# Altium PCB 400484.PcbDoc (part 3 of 5) (continued)
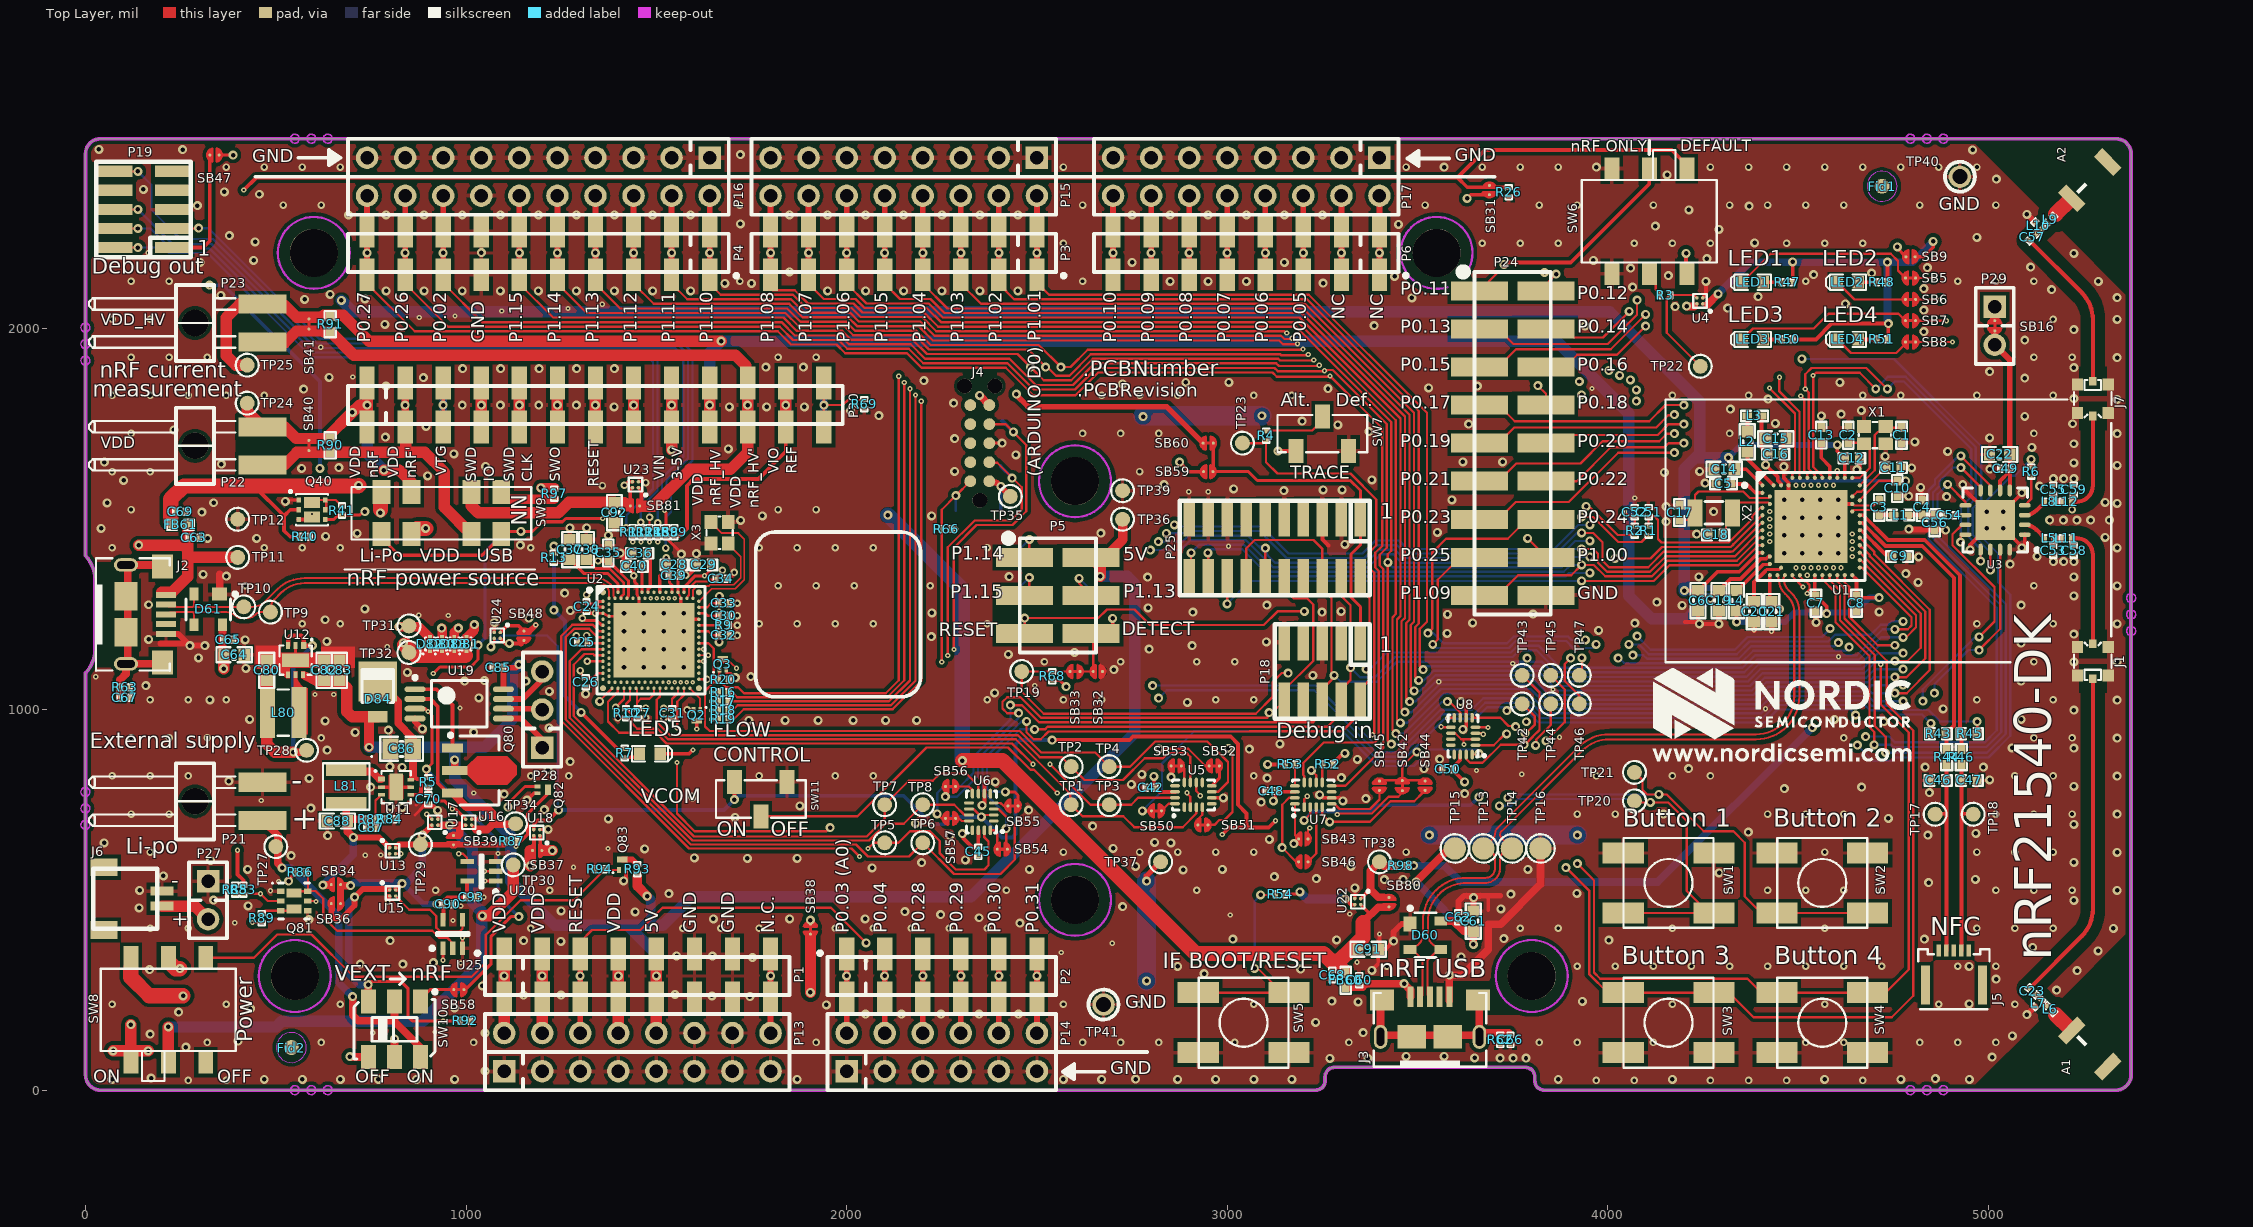
[diagram p0: Top Layer view]
## Nets (pads, with @x,y where several pads share a name; then routed paths per layer and width w, separated by ;. In a path a pad name is that pad's centre, name@x,y a point inside that pad or via, vN(x,y) a via of type N, cw(c..) or ccw(c..) an arc to the next point about the centre after c; other vN are vias at no path point) (continued)
  Mid-Layer 1 w10: v3(2929.04,773.71) 2929.77,772.98 2950.02,772.98 2987,736 v3(2987,672) ; v3(3127,708) 3201,708 v1(3202,709)
  Mid-Layer 2 w10: v1(3661,770) 3661,817 3594,884 3594,959 3693,1058 3693,2136 v1(3727,2170)
  Bottom Layer w6: v1(1065,1165) 1094.7,1194.7 1212.78,1194.7 1241.14,1166.34 1241.14,737.86 v1(1243,736)
  Bottom Layer w10: v1(1243,736) 1677.93,736 v1(1705.22,763.29) 1715.55,773.62 2149.61,773.62 2224.41,698.82 2256.89,698.82 2276.07,718 v1(2354,718) 2408,664 2435,664 2444,673 2444,909 2455,920 v1(2540,920) ; v1(3202,709) 3225,732 3379,732 3395.47,748.47 3639.47,748.47 v1(3661,770)
IMCU_BOOT: SB46.2 U2.AL27 U7.15 | length 2527.7
  Top Layer w6: v3(1554.05,860.66) 1554.05,726.59 1600.17,680.46 1947.2,680.46 v1(1956.69,689.96) ; v3(1555.12,951.77) 1555.12,1020.67 1572.39,1037.94 U2.AL27@1572.39,1055.11 ; v1(3144,637) v1@3144.3,636.7 ; v1@3146.3,636.7 v1@3151,636.7 ; U7.15@3177.77,768.13 3162.43,768.13 3144.3,750 v1@3144.3,636.7 ; SB46.2@3187.7,600 3181,600 3180.83,600.17 v1@3144.3,636.7
  Mid-Layer 1 w6: v3(1554.05,860.66) 1554.58,861.2 1554.58,951.24 v3(1555.12,951.77)
  Mid-Layer 2 w6: v1(1956.69,689.96) 1956.69,584.31 2148,393 2538.52,393 2550.93,380.59 2703.11,380.59 2825.52,503 2988.3,503 3019.3,534 3138.03,534 3153,548.97 3153,628 v1(3144,637)
IMCU_LED: Q2.1 U2.AL29 | length 67.5
  Top Layer w4.92: U2.AL29@1588.34,1055.42 1615.16,1028.61 Q2.1@1615.16,999.02
IMCU_N: D61.2 J2.2 TP10.1 U2.B4 | length 1277.7
  Top Layer w5.35: J2.2@211.84,1275.59 ccw(c224.39,1288.14) 224.39,1270.39 237.2,1270.39 cw(c237.2,1268.71) 238.38,1269.9 ccw(c239.57,1271.09) 239.57,1269.41 250.86,1269.41 251.06,1269.61 279.85,1269.61 ccw(c279.85,1274.97) 281.54,1269.89 ccw(c279.85,1274.97) 283.64,1271.18 ccw(c279.85,1274.97) 284.93,1273.27 ccw(c279.85,1274.97) 285.2,1274.97 ; D61.2@285.2,1303.35 285.2,1274.97 ; U2.B4@1388.77,1295.86 1391.29,1293.34 U2.B4@1391.29,1292.39 cw(c1401.32,1302.42) 1387.14,1302.42 1387.14,1312.27 ccw(c1365.13,1312.27) 1380.69,1327.83 1379.02,1329.51 ccw(c1340.61,1291.07) 1340.61,1345.41 575.53,1345.41 ccw(c575.53,1244.36) 504.08,1315.81 472.76,1284.5 cw(c437.85,1319.41) 437.85,1270.04 TP10.1@416,1270.04 415.57,1269.61 290.56,1269.61 cw(c290.56,1274.97) 286.77,1271.18 cw(c290.56,1274.97) 285.2,1274.97
IMCU_P: D61.3 J2.3 TP9.1 U2.B2 | length 1277
  Top Layer w5.35: J2.3@211.84,1250 cw(c224.39,1237.45) 224.39,1255.2 237.2,1255.2 ccw(c237.2,1256.88) 238.38,1255.69 cw(c239.57,1254.5) 239.57,1256.18 256.33,1256.18 256.54,1256.39 279.85,1256.39 cw(c279.85,1251.03) 281.54,1256.11 cw(c279.85,1251.03) 283.64,1254.82 cw(c279.85,1251.03) 284.93,1252.72 cw(c279.85,1251.03) 285.2,1251.03 ; D61.3@285.2,1222.65 285.2,1251.03 ; 575.68,1332.18 ccw(c575.68,1244) 575.55,1332.18 ; U2.B2@1375.54,1292.39 1375.27,1292.67 1375.27,1306.06 ccw(c1355.67,1308.57) 1369.66,1322.52 ccw(c1350.5,1308.35) 1350.5,1332.18 575.55,1332.18 ; 285.2,1251.03 cw(c290.56,1251.03) 286.77,1254.82 cw(c290.56,1251.03) 290.56,1256.39 363.79,1256.39 cw(c363.79,1202.36) 395.75,1245.92 ccw(c409.65,1259.82) 409.65,1240.16 423.09,1240.16 ccw(c423.09,1273.76) 446.85,1250 cw(c461.2,1235.65) 461.2,1255.94 TP9.1@486,1255.94 ccw(c482.38,1259.56) 487.5,1259.56 487.5,1268.98 cw(c515.36,1268.98) 495.66,1288.69 513.33,1306.35 cw(c575.68,1244) 575.55,1332.18
IMCU_RESET: J4.10 R66.1 TP50.1 U2.AC31 | length 1192.4
  Top Layer w6: U2.AC31@1611.76,1127.04 1611.84,1126.97 1624.48,1126.97 v4(1624.56,1126.9) ; v4(2250,1125) R66.1@2250,1474.41 2250,1525.32 v1(2286.89,1562.2) ; v1@2287.2,1562.2 J4.10@2325,1600 ; J4.10@2312.52,1595 J4.10@2317.52,1600
  Mid-Layer 1 w6: v4(1624.56,1126.9) 1625.9,1125.55 1631.51,1125.55 1632.07,1125 v4(2250,1125)
  Bottom Layer w6: TP50.1@2286.89,1521.89 v1(2286.89,1562.2)
IMCU_SWDCLK: J4.4 TP51.1 U2.W31 | length 1511.3
  Top Layer w4.92: U2.W31@1611.76,1158.54 1611.84,1158.61 1624.48,1158.61 v4(1624.56,1158.68)
  Top Layer w6: v4(2281.75,1158.03) 2281.75,1425.45 2341.3,1485 2435.84,1485 2471.91,1521.07 2471.91,1695.42 v1(2437.99,1729.33) 2417.32,1750 J4.4@2375,1750
  Mid-Layer 1 w5.51: v4(1624.56,1158.68) 1624.7,1158.54 1643.03,1158.54 1653,1148.57 2232.41,1148.57 2241.88,1158.03 v4(2281.75,1158.03)
  Bottom Layer w6: TP51.1@2405,1758.11 TP51.1@2409.21,1758.11
  Bottom Layer w9.84: TP51.1@2409.21,1758.11 v1@2436.02,1731.3
IMCU_SWDIO: J4.2 TP49.1 U2.AA31 | length 1393.3
  Top Layer w4.92: U2.AA31@1611.76,1142.79 v4(1636.17,1142.79)
  Top Layer w6: v4(2265.86,1142.13) 2265.86,1426.39 2336.37,1496.91 2347.91,1496.91 2348,1497 2431,1497 2460,1526 2460,1584.29 2395.97,1648.32 2376.68,1648.32 J4.2@2375,1650
  Mid-Layer 1 w6: v4(1636.17,1142.79) 1638.28,1142.79 1644.16,1136.91 2237.24,1136.91 2242.47,1142.13 v4(2265.86,1142.13)
  Bottom Layer w9.84: TP49.1@2405,1640 2405,1638.98 2434.97,1609 v1(2434.97,1607.98)
N\R\F\_\O\N\L\Y\: R3.1 TP22.1 U4.B2 | length 298.6
  Top Layer w6: R3.1@4162.22,2088.57 4155,2081.35 4155,2008.39 4155,1990 TP22.1@4242.99,1902.01 ; R3.1@4164.41,2089.09 4226.65,2089.09 U4.B2@4234,2081.75
NetC3_2: C3.2 L1.1 U1.H23 | length 113.7
  Top Layer w5.71: U1.H23@4642.27,1520.37 4646.4,1524.5 4700.15,1524.5 4713.31,1511.34 C3.2@4713.51,1511.14
  Top Layer w10.98: C3.2@4713.31,1511.34 L1.1@4748.51,1511.34
NetC9_1: C9.1 U1.N24 | length 113.2
  Top Layer w9.84: U1.N24@4661.95,1471.16 4662.14,1470.97 4665.97,1470.97 4729.76,1407.18 4741.68,1407.18 C9.1@4746.6,1402.26
NetC13_1: C13.1 U1.A18 | length 101.9
  Top Layer w9.84: C13.1@4560.57,1701.47 4560.57,1661.43 4583.21,1638.79 U1.A18@4583.21,1608.95
NetC20_1: C20.1 U1.AC5 | length 140.4
  Top Layer w7.24: C20.1@4384,1284 C20.1@4384,1284.15 ; 4411.9,1362.5 4417.4,1368 4419.45,1368 4419.62,1367.83 4438.94,1367.83 4439.19,1368.08 4450.61,1368.08 U1.AC5@4455.26,1372.73
  Top Layer w10: C20.1@4384.39,1284.15 4384.39,1334.98 4413.87,1364.46
NetC22_2: C22.2 C49.2 P29.2 SB16.2 U3.5 U3.6 | length 543
  Top Layer w10: U3.6@5030.51,1575.79 5030.51,1600.71 5054.85,1625.05 ; C49.2@5056.1,1629.11 U3.5@5056.1,1575.79 5056.45,1576.13 C22.2@5056.45,1665.07
  Top Layer w15: SB16.2@5016.73,1995.05 P29.2@5016.73,1958.35 5055.83,1919.25 C22.2@5055.83,1670.36
NetC29_2: C29.2 C30.1 U2.A27 U2.G31 | length 295.2
  Top Layer w6: U2.G31@1611.76,1253.02 1628.95,1253.02 1635.82,1246.16 C30.1@1665.5,1246.16 v4(1665.5,1258.84)
  Top Layer w7.87: U2.A27@1572.39,1308.14 1572.39,1321.67 1602.13,1351.4 v4(1626.53,1351.4) 1628.45,1351.4 1642.28,1365.23 C29.2@1642.28,1380.98
  Mid-Layer 1 w6: v4(1626.53,1351.4) 1626.53,1297.82 v4(1665.5,1258.84)
NetC36_2: C36.2 U2.A15 | length 108.3
  Top Layer w8.86: C36.2@1475.94,1410.7 1483.81,1402.83 1483.81,1321.92 1477.91,1316.02 U2.A15@1477.91,1308.14
NetC37_1: C37.1 R13.2 U2.A5 | length 222.6
  Top Layer w6: R13.2@1230.82,1387.44 1265.67,1387.44 C37.1@1272.2,1393.97
  Top Layer w7.87: C37.1@1278.1,1388.06 1284.01,1393.97 1284.01,1382.94 1308.99,1357.96 1371.63,1357.96 1399.1,1330.5 U2.A5@1399.1,1308.21
NetC38_1: C38.1 U2.B6 | length 167
  Top Layer w7.36: C38.1@1316.49,1393.77 1339.75,1370.5 1376.83,1370.5 1414.58,1332.75 1414.58,1303.68 1407.33,1296.43 1407.33,1292.68 U2.B6@1407.04,1292.39 ; C38.1@1328.3,1393.77 C38.1@1328.3,1393.97
NetC39_1: C39.1 U2.A23 | length 46
  Top Layer w7.87: C39.1@1534.36,1351.45 1534.36,1333.38 1540.9,1326.84 U2.A23@1540.9,1308.14
NetC40_2: C40.2 U2.A13 | length 75
  Top Layer w8.86: U2.A13@1462.16,1308.14 C40.2@1462.16,1383.14
NetC53_2: C53.2 L5.2 L11.1 | length 45
  Top Layer w10.98: C53.2@5170.28,1429.13 L5.2@5170.28,1449.81 ; L5.2@5170.71,1450.24 L11.1@5195.08,1450.24
NetC55_2: C55.2 L8.2 L12.1 | length 45
  Top Layer w10.98: L8.2@5170.28,1546.26 C55.2@5170.28,1566.67 C55.2@5170.28,1566.94 ; L8.2@5170.71,1545.83 L12.1@5195.08,1545.83
NetC60_2: C60.2 C61.2 C62.2 D60.4 FB60.1 J3.1 TP15.1 | length 956.3
  Top Layer w20: FB60.1@3311.27,270.33 3355.28,270.33 3365,280.05 v1(3464.55,280.05) 3481.47,263.14 J3.1@3481.47,245.35 ; v1(3496,547) TP15.1@3584,635 ; D60.4@3561.12,444.48 3594.52,444.48 3621.54,417.46 C61.2@3646.57,417.46 v1(3646.57,383)
  Mid-Layer 2 w20: v1(3464.55,280.05) 3474.51,270.09 3606.09,270.09 3646.57,310.57 v1(3646.57,383)
  Bottom Layer w20: v1(3496,547) 3646.57,396.43 v1(3646.57,383)
NetC63_1: C63.1 C64.2 C65.2 D61.4 FB61.1 J2.1 TP11.1 | length 1027.2
  Top Layer w20: C64.2@360.01,1150.36 360.01,1184 D61.4@360.01,1222.65
  Top Layer w30: v1(140,1432) 257.6,1432 268.6,1421 ; J2.1@200,1308.4 227.69,1308.4 268.6,1349.31 268.6,1400 ; FB61.1@268.6,1485.6 268.6,1421 ; v1(363.19,1107.28) C64.2@363.19,1147.18 ; TP11.1@400,1400 268.6,1400 ; 268.6,1400 268.6,1421
  Mid-Layer 2 w30: v1(140,1432) 313.81,1258.19 333.3,1258.19 363.19,1228.3 v1(363.19,1107.28)
NetC66_2: C66.2 J3.6 R62.2 | length 533.2
  Top Layer w20: J3.6@3402.65,236.35 3402.65,143.83 J3.6@3662.49,143.83 ; J3.6@3662.49,133.83 cw(c3674.47,133.83) J3.6@3662.57,135.2 ; J3.6@3662.57,130.04 J3.6@3662.57,135.2 ; J3.6@3662.57,145.2 J3.6@3662.57,236.35 ; J3.6@3674.47,145.81 ccw(c3674.47,133.83) J3.6@3662.57,135.2 ; J3.6@3674.47,150.81 3740.16,150.81
NetC67_2: C67.2 J2.6 R63.2 | length 548
  Top Layer w20: C67.2@90.87,1035.43 90.87,1077.87 106.53,1093.53 J2.6@106.53,1120.08 ; J2.6@112.16,1119.45 J2.6@111.53,1120.08 ; J2.6@207.98,1124.02 204.05,1120.08 J2.6@111.53,1120.08 ; J2.6@207.98,1375.98 204.05,1379.92 111.53,1379.92 J2.6@111.53,1120.08
NetC70_1: C70.1 Q82.1 R5.2 U16.B2 | length 405.1
  Top Layer w8: R5.2@901.18,797.83 C70.1@901.18,775.39 902.5,774.08 909.19,774.08 924.04,759.23 944.38,759.23 v3(964,739.61) 971.39,739.61 U16.B2@999.13,711.87 ; v1(1110,744) 1110,753 1154.86,797.86 Q82.1@1187.22,797.86
  Mid-Layer 1 w8: v3(964,739.61) 975.39,751 1103,751 v1(1110,744)
NetC86_2: C86.2 D84.3 U11.4 U11.6 | length 373.2
  Top Layer w10: U11.4@854.39,776.32 875.84,776.32 881.7,782.17 881.7,812.08 875.84,817.94 870.75,817.94 865.62,823.06 860.53,823.06
  Top Layer w20: D84.3@768,1073.56 821.34,1020.22 821.34,963.66 860.53,924.47 C86.2@860.53,897 ; 860.53,823.06 860.53,840 C86.2@860.53,896.05
NetC87_1: C87.1 R82.1 R84.2 U11.3 | length 121.6
  Top Layer w6: R82.1@761.22,712 R82.1@762.22,712 ; C87.1@762.22,690 R82.1@762.22,712 ; U11.3@777.61,776.32 773.68,776.32 771.76,774.39 771.76,770.46 762.22,760.92 R82.1@762.22,712 ; R84.2@787.78,712 R82.1@762.22,712
NetC92_2: C92.2 SB81.2 SW9.7 U23.A2 | length 519.9
  Top Layer w9.84: 1431.53,1577.45 U23.A2@1437.2,1583.12
  Top Layer w10: SB81.2@1431.53,1535.16 1431.53,1577.45
  Top Layer w30: SW9.7@1013.74,1571.12 1013.74,1535.26 1032,1517 1242.58,1517 1269.87,1544.29 C92.2@1389.76,1544.29 1390,1544.06 1415.49,1544.06 1424.66,1534.89
NetL2_1: L2.1 L3.2 | length 41.3
  Top Layer w9.84: L2.1@4366.68,1730.02 L3.2@4366.68,1771.35
NetL2_2: L2.2 U1.B3 | length 116.1
  Top Layer w9.84: L2.2@4366.68,1676.87 4366.68,1658.16 U1.B3@4435.57,1589.27
NetL4_2: L4.2 U1.AB2 | length 120.2
  Top Layer w8: 4407.75,1380.45 4408.67,1381.37 4424.53,1381.37 U1.AB2@4425.73,1382.57
  Top Layer w9.84: L4.2@4338.13,1312.69 L4.2@4340,1312.69 ; L4.2@4343.69,1312.69 L4.2@4340,1312.69 ; 4407.75,1380.45 L4.2@4340,1312.69
NetL80_2: L80.2 U12.5
NetL81_1: L81.1 U11.1 | length 102.4
  Top Layer w20: L81.1@685,841.31 688.91,837.4 752.41,837.4 772.16,817.65 U11.1@777.61,817.65
NetLED1_1: LED1.1 SB5.2 | length 501.1
  Top Layer w6: LED1.1@4353.33,2122.73 4428.33,2197.73 4743.27,2197.73 4762.38,2178.62 4762.38,2153.38 SB5.2@4782.03,2133.73
NetLED1_2: LED1.2 R47.1 | length 51.3
  Top Layer w10: LED1.2@4408.33,2122.73 R47.1@4459.62,2122.73
NetLED2_1: LED2.1 SB6.2 | length 197.4
  Top Layer w6: LED2.1@4603.33,2122.73 4648.32,2077.73 4762.5,2077.73 SB6.2@4782.03,2077.73
NetLED2_2: LED2.2 R48.1 | length 50.3
  Top Layer w10: LED2.2@4658.33,2122.73 R48.1@4708.62,2122.73
NetLED3_1: LED3.1 SB7.2 | length 464.4
  Top Layer w6: LED3.1@4353.33,1972.73 4381.58,2000.98 4541.34,2000.98 4580.72,2040.37 4763.4,2040.37 SB7.2@4782.03,2021.73
NetLED3_2: LED3.2 R50.1 | length 51.3
  Top Layer w10: LED3.2@4408.33,1972.73 R50.1@4459.62,1972.73
NetLED4_1: LED4.1 SB8.2 | length 208.1
  Top Layer w6: LED4.1@4603.33,1972.73 4639,1937.06 4758.06,1937.06 4782.03,1961.03 SB8.2@4782.03,1965.73
NetLED4_2: LED4.2 R51.1 | length 50.3
  Top Layer w10: LED4.2@4658.33,1972.73 R51.1@4708.62,1972.73
NetLED5_1: LED5.1 Q2.3 | length 171.6
  Top Layer w10: LED5.1@1510.77,883.86 1585.59,883.86 1595.43,893.7 v3(1596.46,893.7) ; v3(1606.24,948.97) Q2.3@1606.3,971.46
  Mid-Layer 1 w10: v3(1596.46,893.7) 1596.46,938.16 1606.24,947.94 v3(1606.24,948.97)
NetLED5_2: LED5.2 R7.1 | length 42.3
  Top Layer w10: R7.1@1417.32,874.61 1446.52,874.61 LED5.2@1455.77,883.86
NetP5_6: P5.6 P11.6 SB32.2 SB33.1 | length 204.5
  Top Layer w6: SB33.1@2613.3,1100 2640.83,1100 ; P5.6@2642.5,1200 2647.7,1194.8 2647.7,1113.9 SB32.2@2647.7,1100
  Top Layer w10: P5.6@2699,1202 v1(2699,1239.4)
  Bottom Layer w10: P11.6@2699,1202 v1(2699,1239.4)
NetP19_1: P19.1 SB47.2 | length 329.8
  Top Layer w10: P19.1@229.76,2214 309.47,2214 326.7,2231.23 326.7,2414.37 326.7,2443.1 SB47.2@326.7,2457
NetP19_2: P19.2 R11.2 | length 2010.9
  Top Layer w6: P19.2@76.22,2214 v1(137.98,2214) ; v2(1421.04,1477.53) R11.2@1437.82,1477.53
  Bottom Layer w6: v1(137.98,2214) 204.31,2214 218.69,2199.61 320.8,2199.61 594.41,1926 1478,1926 1491,1913 1491,1693.01 1491.09,1692.91 1491.09,1579.68 1421.04,1509.62 1421.04,1487.38
NetP19_4: P19.4 R12.2 | length 2022.6
  Top Layer w6: P19.4@76.22,2264 v1(137.98,2264) ; v2@1459.57,1495.62 1459.57,1477.78 R12.2@1459.82,1477.53
  Bottom Layer w6: v1(137.98,2264) 171.15,2264 223.63,2211.52 325.86,2211.52 599.38,1938 1482.97,1938 1503,1917.97 1503,1574.75 1459.33,1531.07 1459.33,1501.77
  other v2: 1459.33,1491.93
NetP19_6: P19.6 R14.2 | length 2131.8
  Top Layer w6: P19.6@76.22,2314 v1(137.98,2314) ; R14.2@1481.82,1477.53 1482.01,1477.73 1482.01,1505.2 v2(1482.2,1505.39)
  Bottom Layer w6: v1(137.98,2314) 228.56,2223.43 330.93,2223.43 604.35,1950 1549,1950 1571,1928 1571,1664.36 1514.91,1608.27 1514.91,1569.04 1482.28,1536.42 1482.28,1515.75 1482.22,1515.69
NetP19_10: P19.10 R15.2 | length 2244.7
  Top Layer w6: P19.10@76.22,2414 v1(137.98,2414) ; v2@1503.82,1495.02 R15.2@1503.82,1477.53 1504.86,1478.58 v2@1504.86,1495.02
  Bottom Layer w6: v1(137.98,2414) 172.72,2379.27 172.72,2313.5 250,2236.22 335.1,2236.22 609.32,1962 1553.97,1962 1582.91,1933.07 1582.91,1659.43 1526.81,1603.34 1526.81,1563.23 1503.82,1540.24 v2@1503.82,1500.92
  other v2: 1503.82,1491.08
NetP20_3: P20.3 P26.3 Q3.1 R20.1 | length 2902.2
  Top Layer w6: P20.3@940,1742.32 P20.3@940,1857.68 ; Q3.1@1665.73,1104.74 1665.05,1104.07 1665.05,1078.45 R20.1@1664.37,1077.77 1664.37,1077.18 1682.8,1058.75 1714.27,1058.75 1730.31,1042.71 2102.5,1042.71 2136.65,1076.86 v4(2136.65,1876)
  Top Layer w10: P20.3@940,1742.32 v1(940,1800) P20.3@940,1857.68
  Mid-Layer 1 w6: v1(940,1800) 1011.51,1871.51 2130.59,1871.51 2135.07,1876 v4(2136.65,1876)
  Bottom Layer w20: P26.3@940,1742.32 v1(940,1800) P26.3@940,1857.68
NetP20_4: P20.4 P26.4 R16.2 | length 2661.2
  Top Layer w6: P20.4@1040,1719.28 P20.4@1040,1742.32 ; R16.2@1686.81,1045.32 1688.48,1043.65 1701.13,1043.65 1712.6,1032.18 2106.86,1032.18 2151.46,1076.78 v4(2151.46,1859.54)
  Top Layer w30: P20.4@1040,1742.32 v1(1040,1800) P20.4@1040,1857.68
  Mid-Layer 1 w6: v1(1040,1800) 1099.61,1859.61 2121.49,1859.61 2121.56,1859.54 v4(2151.46,1859.54)
  Bottom Layer w20: P26.4@1040,1742.32 v1(1040,1800) P26.4@1040,1857.68
NetP20_5: P20.5 P26.5 R17.2 | length 2547.3
  Top Layer w6: R17.2@1686.81,1021.65 2111.22,1021.65 2166.27,1076.7 v4(2166.27,1843.08)
  Top Layer w30: P20.5@1140,1742.32 v1(1140,1800) P20.5@1140,1857.68
  Mid-Layer 1 w6: v1(1140,1800) 1187.7,1847.7 2114.9,1847.7 2119.52,1843.08 v4(2166.27,1843.08)
  Bottom Layer w20: P26.5@1140,1742.32 v1(1140,1800) P26.5@1140,1857.68
NetP20_6: P20.6 P26.6 R18.2 | length 2491.1
  Top Layer w6: P20.6@1240,1719 P20.6@1240,1742.32 ; R18.2@1686.81,997.99 1700.44,997.99 1713.58,1011.13 2116.44,1011.13 2181.08,1075.76 v4(2181.08,1826.62)
  Top Layer w30: P20.6@1240,1742.32 v1(1240,1800) P20.6@1240,1857.68
  Mid-Layer 1 w6: v1(1240,1800) 1275.8,1835.8 2107.22,1835.8 2109.02,1834 2110.88,1834 2118.26,1826.62 v4(2181.08,1826.62)
  Bottom Layer w20: P26.6@1240,1742.32 v1(1240,1800) P26.6@1240,1857.68
NetP20_7: P20.7 P26.7 R19.2 | length 2411
  Top Layer w6: P20.7@1340,1719 P20.7@1340,1742.32 ; R19.2@1686.81,974.32 1703.65,974.32 1729.93,1000.6 2120.8,1000.6 2195.89,1075.69 v4(2195.89,1810.16)
  Top Layer w30: P20.7@1340,1742.32 v1(1340,1800) P20.7@1340,1857.68
  Mid-Layer 1 w6: v1(1340,1800) 1363.89,1823.89 2102.29,1823.89 2116.02,1810.16 v4(2195.89,1810.16)
  Bottom Layer w20: P26.7@1340,1742.32 v1(1340,1800) P26.7@1340,1857.68
NetP20_8: P20.8 P26.8 | length 230.7
  Top Layer w30: P20.8@1440,1742.32 v1(1440,1800) P20.8@1440,1857.68
  Bottom Layer w20: P26.8@1440,1742.32 v1(1440,1800) P26.8@1440,1857.68
NetP20_13: P20.13 P26.13 R69.2 | length 342.2
  Top Layer w6: P20.13@1940,1742.32 v1(1940,1800) ; P20.13@1940,1857.68 v1(1940,1800) ; R69.2@2046,1813.22 2003.22,1813.22 1990,1800 v1(1940,1800)
  Bottom Layer w20: P26.13@1940,1742.32 v1(1940,1800) P26.13@1940,1857.68
NetP21_2: P21.2 SW10.2 SW10.4 TP27.1 | length 913.9
  Top Layer w20: P21.2@464.99,709 506,667.99 TP27.1@506,650 ; TP27.1@505,650 505,596 v1(517,584) ; v1(702,246) 702,197 717,182 810,182 ; SW10.2@812,232.83 812,184 810,182 ; SW10.4@880.9,87.17 880.9,111.1 810,182
  Bottom Layer w20: v1(517,584) 539.54,584 666,457.54 666,282 v1(702,246)
NetP28_1: P28.1 U19.5 | length 145.9
  Top Layer w15: U19.5@1098.14,976.61 1144.39,976.61 1200,921 P28.1@1200,900
NetP28_2: P28.2 U19.6 | length 102.8
  Top Layer w15: U19.6@1098.14,1002.2 1197.8,1002.2 P28.2@1200,1000
NetP28_3: P28.3 U19.7 | length 144.1
  Top Layer w15: U19.7@1098.14,1027.8 1148.8,1027.8 1200,1079 P28.3@1200,1100
NetQ40_5: Q40.5 Q40.6 R41.2 | length 114.4
  Top Layer w6: Q40.6@595,1543.7 601.89,1550.59 Q40.6@632.2,1550.59 ; Q40.5@632.4,1525 632.4,1550.59 657.63,1550.59 671.09,1537.13 671.09,1536.54 673.41,1534.22 R41.2@674,1534.22
NetQ80_1: Q80.1 U19.1 | length 220.3
  Top Layer w10: U19.1@873.86,1053.39 922.61,1053.39 964.13,1011.87 Q80.1@964.13,899.06
NetQ80_3: Q80.3 TP34.1 U16.A1 U19.2 | length 591.8
  Top Layer w9.84: U16.A1@1014.87,696.13 1026.19,684.81
  Top Layer w10: U19.2@873.86,1027.8 906.2,1027.8 925.57,1008.43 925.57,807.43 952.06,780.94 Q80.3@964.13,780.94
  Top Layer w20: Q80.3@964.13,780.94 1001.08,744 1053,744 1070,727 1070,699 ; 1026.19,684.81 1055.81,684.81 1070,699 ; TP34.1@1128,703 1124,699 1070,699
NetQ81_3: Q81.3 R89.2 | length 93.9
  Top Layer w6: R89.2@463,463.22 463.59,463.22 465.91,465.54 465.91,466.13 471.46,471.69 510.32,471.69 Q81.3@510.6,471.41 ; Q81.3@510.8,471.41 541.11,471.41 Q81.3@548,478.3 ; Q81.3@549.41,471.41 Q81.3@551,473
NetQ83_1: Q83.1 R94.1 SW8.4 | length 1316.3
  Top Layer w6: SW8.4@315.42,347.91 442.91,347.91 504,409 594,409 705,298 1014,298 1052.11,336.11 1052.11,408.25 1142.86,499 1283.61,499 1362.83,578.22 Q83.1@1402.14,578.22
NetQ83_3: Q83.3 R93.2 | length 44.6
  Top Layer w15: Q83.3@1411,605.78 1436.44,605.78 R93.2@1450,592.22
NetR3_2: R3.2 SW6.5 | length 68.8
  Top Layer w6: SW6.5@4109,2145.2 4125.69,2128.52 4125.69,2103.84 4139.78,2089.75 R3.2@4139.78,2089.16
NetR4_2: R4.2 SW7.2 | length 171.1
  Top Layer w6: R4.2@3102,1731.22 3104.06,1733.28 3223.28,1733.28 3231.78,1741.78 3233.31,1741.78 3250,1758.46 SW7.2@3250,1770.28
NetR6_2: R6.2 U3.4 | length 84.7
  Top Layer w6: U3.4@5095.47,1536.42 5112.2,1553.15 R6.2@5112.2,1614.17
NetR9_1: R9.1 U2.L31 | length 55.1
  Top Layer w6: U2.L31@1611.76,1221.53 1662.13,1221.53 R9.1@1665.5,1218.16
NetR52_2: R52.2 U7.9 | length 48.8
  Top Layer w6: U7.9@3249.62,808.48 3249.62,849.58 3250.46,850.42 3250.46,853.68 R52.2@3252.78,856
NetR53_2: R53.2 U7.13 | length 58.2
  Top Layer w6: R53.2@3177.22,856 R53.2@3177.77,855.45 ; U7.13@3177.77,799.62 R53.2@3177.77,855.45 ; R53.2@3177.77,857 R53.2@3177.77,855.45
NetR97_2: R97.2 SW9.8 | length 147.7
  Top Layer w25: SW9.8@1092.48,1571.12 1111.6,1552 R97.2@1232.28,1552
NetR98_1: R98.1 SB80.1 TP38.1 U22.A1 | length 204.8
  Top Layer w10: U22.A1@3350.88,503.1 3374.86,527.07 3376.48,527.07
  Top Layer w20: TP38.1@3410,590 TP38.1@3400,600 3376.48,576.48 3376.48,527.07 3396.55,507 3408.05,507 3411.66,507 ; TP38.1@3411,589 R98.1@3440,589
NetSB42_1: SB42.1 U7.1 | length 336.7
  Top Layer w6: U7.1@3202.38,743.52 3202.38,764.38 v3(3210,772) ; v3(3289,724) 3292,727 3379.97,727 3423.82,770.85 3449.15,770.85 3468,789.7
  Mid-Layer 1 w6: v3(3210,772) 3255,727 3286,727 v3(3289,724)
NetSB45_1: SB45.1 U7.5 | length 165.4
  Top Layer w6: U7.5@3274.23,752.38 3281.92,752.38 3295.3,739 3375,739 3400,764 3400,780.83 SB45.1@3400,787.7
NetSB46_1: SB46.1 U7.3 | length 152.5
  Top Layer w6: SB46.1@3212.3,600 3218.16,605.86 3233.87,621.57 U7.3@3233.87,743.52
NetSB50_2: SB50.2 U5.16 | length 43.1
  Top Layer w6: SB50.2@2827.3,734 2845.68,752.38 U5.16@2862.77,752.38
NetSB51_2: SB51.2 U5.4 | length 51.5
  Top Layer w6: SB51.2@2922.7,697 2922.7,711.7 2934.62,723.62 U5.4@2934.62,743.52
NetSB52_2: SB52.2 U5.8 | length 61.1
  Top Layer w6: U5.8@2958.95,799.5 U5.8@2959.23,799.77
  Top Layer w8: U5.8@2959.23,799.62 2959.23,799.77 2979.3,819.84 SB52.2@2979.3,852
NetSB53_2: SB53.2 U5.12 | length 46.9
  Top Layer w6: SB53.2@2879.3,852 2887.1,844.2 U5.12@2887.1,808.35
NetSB54_2: SB54.2 U6.16 | length 62.7
  Top Layer w6: U6.16@2377.62,682.77 2386.92,682.77 2395.7,673.99 SB54.2@2395.7,633
NetSB55_2: SB55.2 U6.4 | length 40.4
  Top Layer w6: U6.4@2386.48,754.62 2404.38,754.62 2412,747 SB55.2@2423.7,747
NetSB56_2: SB56.2 U6.8 | length 57.4
  Top Layer w6: SB56.2@2286.3,798 2321,798 2330.38,788.62 U6.8@2330.38,779.23
NetSB57_2: SB57.2 U6.12 | length 39.2
  Top Layer w6: SB57.2@2286.3,714 2296,714 2302.62,707.38 U6.12@2321.52,707.38 U6.12@2321.52,706.17
NetSB58_2: SB58.2 SW10.1 | length 103.8
  Top Layer w8: SW10.1@880.9,232.83 880.9,239.9 905,264 SB58.2@967.7,264
NetU2_B30: U2.B30 X3.3 | length 263.4
  Top Layer w4.92: U2.B30@1596.02,1292.39 1596.02,1313.97 1607.67,1325.63 ; 1608.23,1325.07 1638.24,1325.07 1641.25,1328.08 1703.29,1328.08 1721.6,1346.4 1721.6,1401.43 1688.98,1434.06 X3.3@1688.98,1436.02
NetU2_C31: U2.C31 X3.1 | length 357
  Top Layer w4.92: U2.C31@1611.76,1284.52 1612.72,1284.52 1645.65,1317.45 1707.69,1317.45 1731.05,1340.81 1731.05,1448.08 1715.55,1463.58 1671.26,1463.58 1643.7,1491.14 X3.1@1643.7,1493.11
NetU13_B2: U13.B2 U20.4 | length 211.2
  Top Layer w6: U13.B2@814.87,621.13 v3(828.13,621.13) ; v3(981,621.13) 991.87,621.13 1002.6,610.4 U20.4@1002.6,600.59 U20.4@993.41,600.59
  Mid-Layer 1 w6: v3(828.13,621.13) v3(981,621.13)
NFC1: C46.1 J5.2 R44.1 TP17.1 | length 506.1
  Top Layer w9.84: TP17.1@4861.37,726 4889.68,726 ; J5.2@4889.68,367.25 4889.68,726 ; R44.1@4889.68,845 4889.68,726
NFC2: C47.2 J5.4 R46.1 TP18.1 | length 505.7
  Top Layer w9.84: J5.4@4929.05,367.25 4929.05,726 ; R46.1@4929.05,845 4929.05,726 ; TP18.1@4957.05,726 4929.05,726
P0.00: P6.1 P12.1 P17.2 | length 323
  Top Layer w15: P6.1@3400,2142.32 v1(3400,2200) P6.1@3400,2257.68 P17.2@3400,2350
  Bottom Layer w15: P12.1@3400,2142.32 v1(3400,2200) P12.1@3400,2257.68
P0.00/XL1: C17.2 U1.D2 X2.1 | length 303.6
  Top Layer w5.71: 4374,1555.61 4421.6,1555.61 U1.D2@4425.73,1559.74
  Top Layer w6: C17.2@4188.39,1498.05 4209.49,1498.05 4229.18,1517.73 4228.86,1518.05 4228.86,1563.51 4238.52,1573.16 4355.99,1573.16 4373.11,1556.04
P0.01: P6.2 P12.2 P17.4 | length 323
  Top Layer w15: P6.2@3300,2142.32 v1(3300,2200) P6.2@3300,2257.68 P17.4@3300,2350
  Bottom Layer w15: P12.2@3300,2142.32 v1(3300,2200) P12.2@3300,2257.68
P0.01/XL2: C18.2 U1.F2 X2.2 | length 186
  Top Layer w5.71: C18.2@4303.07,1458.73 4303.78,1458.73 4310.77,1465.72 4310.77,1499.9 X2.2@4327.6,1516.73 4327.6,1527.36 4344.43,1544.19 4421.6,1544.19 U1.F2@4425.73,1540.05
P0.02/AIN0: P4.8 P10.8 P16.16 U1.A12 | length 4364.3
  Top Layer w6: P4.8@940,2142.32 940,2120 1042,2018 1828.94,2018 1863.94,1983 1983.27,1983 2006.43,1959.83 2168.33,1959.83 2206.16,1922 2424.46,1922 2424.65,1921.81 2427.81,1921.81 2496.62,1853 2594.92,1853 2651.54,1909.62 3129.05,1909.62 3135.85,1902.83 3239.73,1902.83 v3(3241.45,1904.55) ; v3(4507,1824) 4515.82,1815.18 4515.82,1627.18 4524.16,1618.84 U1.A12@4524.16,1608.95
  Top Layer w15: P4.8@940,2142.32 v1(940,2200) P4.8@940,2257.68 P16.16@940,2350
  Mid-Layer 1 w6: v3(3241.45,1904.55) 3249.5,1912.61 4469.39,1912.61 4499,1882.99 4499,1832 v3(4507,1824)
  Bottom Layer w15: P10.8@940,2120 v1(940,2200) P10.8@940,2257.68
P0.03/AIN1: P2.1 P8.1 P14.2 TP42.1 U1.B13 | length 4467
  Top Layer w6: TP42.1@3775,1015 3808.35,981.65 3808.35,961.05 3785.3,938 v1(3782.7,938)
  Top Layer w15: P14.2@2000,150 P2.1@2000,242.32 v1(2000,300) P2.1@2000,357.68
  Mid-Layer 1 w6: v1(4003,1890.3) 4013.4,1900.7 4464.46,1900.7 4487,1878.16 4487,1740.97 4506.13,1721.84 4506.13,1721.57 4518.44,1709.26 4518.44,1629.65 4534,1614.09 v3(4534,1589.27)
  Mid-Layer 2 w6: v1(2000,300) 2069,369 2528.58,369 2540.99,356.59 2713.05,356.59 2835.46,479 3486,479 3758.33,751.33 3758.33,916.33 3778.5,936.5 3784.2,936.5 3815,967.3 3815,1081.39 3845,1111.39 3845,1202.03 3985.99,1343.01 3985.99,1343.15 3997.72,1354.88 3997.72,1405 3998.09,1405.38 3998.09,1405.66 4018,1425.56 4018,1763.75 4003,1778.75 v1(4003,1890.3)
  Bottom Layer w15: P8.1@2000,242.32 v1(2000,300) P8.1@2000,381